# KiCad board panel.opm-lowside.kicad_pcb (continued)
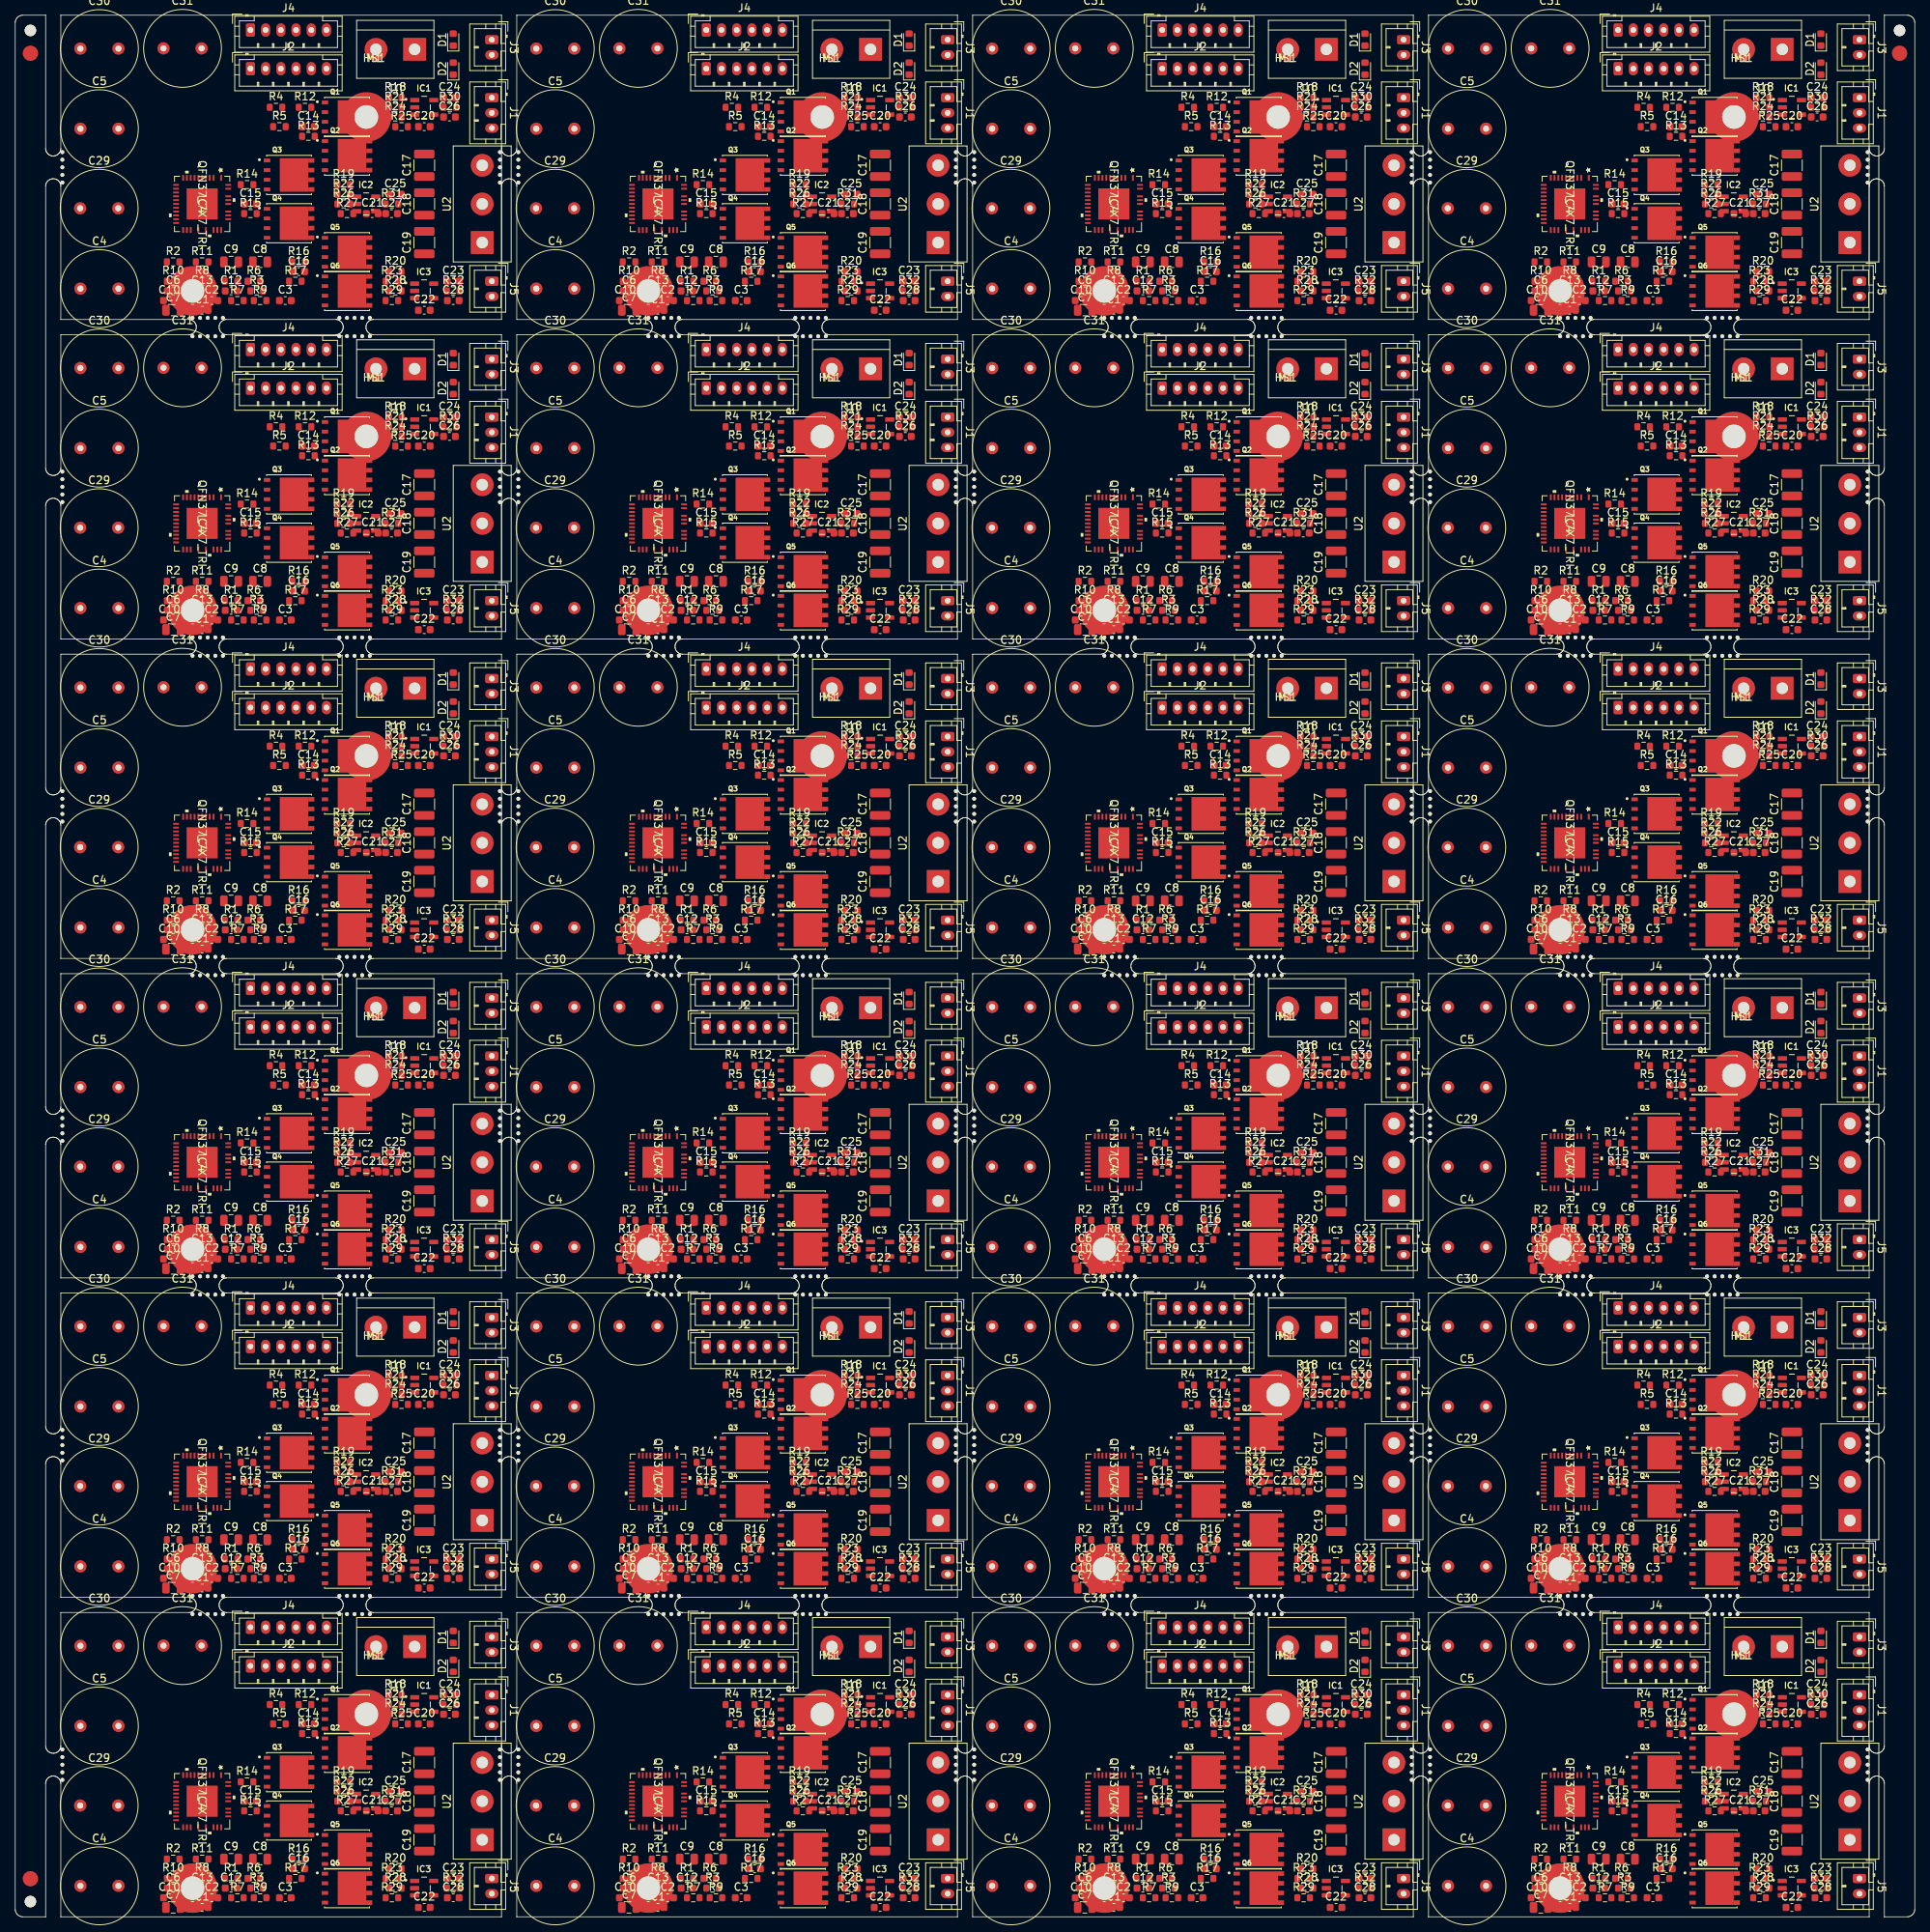
[diagram p0: board, top side]
## Placement (name value [footprint] x y rotation side) (continued)
R1#19  10000R/1%  [R_0603_1608Metric]  148.29 47.03 0 top
R1#20  10000R/1%  [R_0603_1608Metric]  208.24 47.03 0 top
R1#21  10000R/1%  [R_0603_1608Metric]  28.39 5.04 0 top
R1#22  10000R/1%  [R_0603_1608Metric]  88.34 5.04 0 top
R1#23  10000R/1%  [R_0603_1608Metric]  148.29 5.04 0 top
R1#24  10000R/1%  [R_0603_1608Metric]  208.24 5.04 0 top
R2  4700R/1%  [R_0603_1608Metric]  20.77 217.53 0 top
R2#2  4700R/1%  [R_0603_1608Metric]  80.72 217.53 0 top
R2#3  4700R/1%  [R_0603_1608Metric]  140.67 217.53 0 top
R2#4  4700R/1%  [R_0603_1608Metric]  200.62 217.53 0 top
R2#5  4700R/1%  [R_0603_1608Metric]  20.77 175.54 0 top
R2#6  4700R/1%  [R_0603_1608Metric]  80.72 175.54 0 top
R2#7  4700R/1%  [R_0603_1608Metric]  140.67 175.54 0 top
R2#8  4700R/1%  [R_0603_1608Metric]  200.62 175.54 0 top
R2#9  4700R/1%  [R_0603_1608Metric]  20.77 133.55 0 top
R2#10  4700R/1%  [R_0603_1608Metric]  80.72 133.55 0 top
R2#11  4700R/1%  [R_0603_1608Metric]  140.67 133.55 0 top
R2#12  4700R/1%  [R_0603_1608Metric]  200.62 133.55 0 top
R2#13  4700R/1%  [R_0603_1608Metric]  20.77 91.56 0 top
R2#14  4700R/1%  [R_0603_1608Metric]  80.72 91.56 0 top
R2#15  4700R/1%  [R_0603_1608Metric]  140.67 91.56 0 top
R2#16  4700R/1%  [R_0603_1608Metric]  200.62 91.56 0 top
R2#17  4700R/1%  [R_0603_1608Metric]  20.77 49.57 0 top
R2#18  4700R/1%  [R_0603_1608Metric]  80.72 49.57 0 top
R2#19  4700R/1%  [R_0603_1608Metric]  140.67 49.57 0 top
R2#20  4700R/1%  [R_0603_1608Metric]  200.62 49.57 0 top
R2#21  4700R/1%  [R_0603_1608Metric]  20.77 7.58 0 top
R2#22  4700R/1%  [R_0603_1608Metric]  80.72 7.58 0 top
R2#23  4700R/1%  [R_0603_1608Metric]  140.67 7.58 0 top
R2#24  4700R/1%  [R_0603_1608Metric]  200.62 7.58 0 top
R3  4700R/1%  [R_0603_1608Metric]  31.76 213.72 0 top
R3#2  4700R/1%  [R_0603_1608Metric]  91.71 213.72 0 top
R3#3  4700R/1%  [R_0603_1608Metric]  151.66 213.72 0 top
R3#4  4700R/1%  [R_0603_1608Metric]  211.61 213.72 0 top
R3#5  4700R/1%  [R_0603_1608Metric]  31.76 171.73 0 top
R3#6  4700R/1%  [R_0603_1608Metric]  91.71 171.73 0 top
R3#7  4700R/1%  [R_0603_1608Metric]  151.66 171.73 0 top
R3#8  4700R/1%  [R_0603_1608Metric]  211.61 171.73 0 top
R3#9  4700R/1%  [R_0603_1608Metric]  31.76 129.74 0 top
R3#10  4700R/1%  [R_0603_1608Metric]  91.71 129.74 0 top
R3#11  4700R/1%  [R_0603_1608Metric]  151.66 129.74 0 top
R3#12  4700R/1%  [R_0603_1608Metric]  211.61 129.74 0 top
R3#13  4700R/1%  [R_0603_1608Metric]  31.76 87.75 0 top
R3#14  4700R/1%  [R_0603_1608Metric]  91.71 87.75 0 top
R3#15  4700R/1%  [R_0603_1608Metric]  151.66 87.75 0 top
R3#16  4700R/1%  [R_0603_1608Metric]  211.61 87.75 0 top
R3#17  4700R/1%  [R_0603_1608Metric]  31.76 45.76 0 top
R3#18  4700R/1%  [R_0603_1608Metric]  91.71 45.76 0 top
R3#19  4700R/1%  [R_0603_1608Metric]  151.66 45.76 0 top
R3#20  4700R/1%  [R_0603_1608Metric]  211.61 45.76 0 top
R3#21  4700R/1%  [R_0603_1608Metric]  31.76 3.77 0 top
R3#22  4700R/1%  [R_0603_1608Metric]  91.71 3.77 0 top
R3#23  4700R/1%  [R_0603_1608Metric]  151.66 3.77 0 top
R3#24  4700R/1%  [R_0603_1608Metric]  211.61 3.77 0 top
R4  1000R/1%  [R_0603_1608Metric]  34.3 237.85 0 top
R4#2  1000R/1%  [R_0603_1608Metric]  94.25 237.85 0 top
R4#3  1000R/1%  [R_0603_1608Metric]  154.2 237.85 0 top
R4#4  1000R/1%  [R_0603_1608Metric]  214.15 237.85 0 top
R4#5  1000R/1%  [R_0603_1608Metric]  34.3 195.86 0 top
R4#6  1000R/1%  [R_0603_1608Metric]  94.25 195.86 0 top
R4#7  1000R/1%  [R_0603_1608Metric]  154.2 195.86 0 top
R4#8  1000R/1%  [R_0603_1608Metric]  214.15 195.86 0 top
R4#9  1000R/1%  [R_0603_1608Metric]  34.3 153.87 0 top
R4#10  1000R/1%  [R_0603_1608Metric]  94.25 153.87 0 top
R4#11  1000R/1%  [R_0603_1608Metric]  154.2 153.87 0 top
R4#12  1000R/1%  [R_0603_1608Metric]  214.15 153.87 0 top
R4#13  1000R/1%  [R_0603_1608Metric]  34.3 111.88 0 top
R4#14  1000R/1%  [R_0603_1608Metric]  94.25 111.88 0 top
R4#15  1000R/1%  [R_0603_1608Metric]  154.2 111.88 0 top
R4#16  1000R/1%  [R_0603_1608Metric]  214.15 111.88 0 top
R4#17  1000R/1%  [R_0603_1608Metric]  34.3 69.89 0 top
R4#18  1000R/1%  [R_0603_1608Metric]  94.25 69.89 0 top
R4#19  1000R/1%  [R_0603_1608Metric]  154.2 69.89 0 top
R4#20  1000R/1%  [R_0603_1608Metric]  214.15 69.89 0 top
R4#21  1000R/1%  [R_0603_1608Metric]  34.3 27.9 0 top
R4#22  1000R/1%  [R_0603_1608Metric]  94.25 27.9 0 top
R4#23  1000R/1%  [R_0603_1608Metric]  154.2 27.9 0 top
R4#24  1000R/1%  [R_0603_1608Metric]  214.15 27.9 0 top
R5  150R/1%  [R_0603_1608Metric]  34.74 235.31 0 top
R5#2  150R/1%  [R_0603_1608Metric]  94.69 235.31 0 top
R5#3  150R/1%  [R_0603_1608Metric]  154.64 235.31 0 top
R5#4  150R/1%  [R_0603_1608Metric]  214.59 235.31 0 top
R5#5  150R/1%  [R_0603_1608Metric]  34.74 193.32 0 top
R5#6  150R/1%  [R_0603_1608Metric]  94.69 193.32 0 top
R5#7  150R/1%  [R_0603_1608Metric]  154.64 193.32 0 top
R5#8  150R/1%  [R_0603_1608Metric]  214.59 193.32 0 top
R5#9  150R/1%  [R_0603_1608Metric]  34.74 151.33 0 top
R5#10  150R/1%  [R_0603_1608Metric]  94.69 151.33 0 top
R5#11  150R/1%  [R_0603_1608Metric]  154.64 151.33 0 top
R5#12  150R/1%  [R_0603_1608Metric]  214.59 151.33 0 top
R5#13  150R/1%  [R_0603_1608Metric]  34.74 109.34 0 top
R5#14  150R/1%  [R_0603_1608Metric]  94.69 109.34 0 top
R5#15  150R/1%  [R_0603_1608Metric]  154.64 109.34 0 top
R5#16  150R/1%  [R_0603_1608Metric]  214.59 109.34 0 top
R5#17  150R/1%  [R_0603_1608Metric]  34.74 67.35 0 top
R5#18  150R/1%  [R_0603_1608Metric]  94.69 67.35 0 top
R5#19  150R/1%  [R_0603_1608Metric]  154.64 67.35 0 top
R5#20  150R/1%  [R_0603_1608Metric]  214.59 67.35 0 top
R5#21  150R/1%  [R_0603_1608Metric]  34.74 25.36 0 top
R5#22  150R/1%  [R_0603_1608Metric]  94.69 25.36 0 top
R5#23  150R/1%  [R_0603_1608Metric]  154.64 25.36 0 top
R5#24  150R/1%  [R_0603_1608Metric]  214.59 25.36 0 top
R6  1000R/1%  [R_0603_1608Metric]  31.38 214.99 0 top
R6#2  1000R/1%  [R_0603_1608Metric]  91.33 214.99 0 top
R6#3  1000R/1%  [R_0603_1608Metric]  151.28 214.99 0 top
R6#4  1000R/1%  [R_0603_1608Metric]  211.23 214.99 0 top
R6#5  1000R/1%  [R_0603_1608Metric]  31.38 173 0 top
R6#6  1000R/1%  [R_0603_1608Metric]  91.33 173 0 top
R6#7  1000R/1%  [R_0603_1608Metric]  151.28 173 0 top
R6#8  1000R/1%  [R_0603_1608Metric]  211.23 173 0 top
R6#9  1000R/1%  [R_0603_1608Metric]  31.38 131.01 0 top
R6#10  1000R/1%  [R_0603_1608Metric]  91.33 131.01 0 top
R6#11  1000R/1%  [R_0603_1608Metric]  151.28 131.01 0 top
R6#12  1000R/1%  [R_0603_1608Metric]  211.23 131.01 0 top
R6#13  1000R/1%  [R_0603_1608Metric]  31.38 89.02 0 top
R6#14  1000R/1%  [R_0603_1608Metric]  91.33 89.02 0 top
R6#15  1000R/1%  [R_0603_1608Metric]  151.28 89.02 0 top
R6#16  1000R/1%  [R_0603_1608Metric]  211.23 89.02 0 top
R6#17  1000R/1%  [R_0603_1608Metric]  31.38 47.03 0 top
R6#18  1000R/1%  [R_0603_1608Metric]  91.33 47.03 0 top
R6#19  1000R/1%  [R_0603_1608Metric]  151.28 47.03 0 top
R6#20  1000R/1%  [R_0603_1608Metric]  211.23 47.03 0 top
R6#21  1000R/1%  [R_0603_1608Metric]  31.38 5.04 0 top
R6#22  1000R/1%  [R_0603_1608Metric]  91.33 5.04 0 top
R6#23  1000R/1%  [R_0603_1608Metric]  151.28 5.04 0 top
R6#24  1000R/1%  [R_0603_1608Metric]  211.23 5.04 0 top
R7  0R  [R_0603_1608Metric]  29.22 212.45 0 top
R7#2  0R  [R_0603_1608Metric]  89.17 212.45 0 top
R7#3  0R  [R_0603_1608Metric]  149.12 212.45 0 top
R7#4  0R  [R_0603_1608Metric]  209.07 212.45 0 top
R7#5  0R  [R_0603_1608Metric]  29.22 170.46 0 top
R7#6  0R  [R_0603_1608Metric]  89.17 170.46 0 top
R7#7  0R  [R_0603_1608Metric]  149.12 170.46 0 top
R7#8  0R  [R_0603_1608Metric]  209.07 170.46 0 top
R7#9  0R  [R_0603_1608Metric]  29.22 128.47 0 top
R7#10  0R  [R_0603_1608Metric]  89.17 128.47 0 top
R7#11  0R  [R_0603_1608Metric]  149.12 128.47 0 top
R7#12  0R  [R_0603_1608Metric]  209.07 128.47 0 top
R7#13  0R  [R_0603_1608Metric]  29.22 86.48 0 top
R7#14  0R  [R_0603_1608Metric]  89.17 86.48 0 top
R7#15  0R  [R_0603_1608Metric]  149.12 86.48 0 top
R7#16  0R  [R_0603_1608Metric]  209.07 86.48 0 top
R7#17  0R  [R_0603_1608Metric]  29.22 44.49 0 top
R7#18  0R  [R_0603_1608Metric]  89.17 44.49 0 top
R7#19  0R  [R_0603_1608Metric]  149.12 44.49 0 top
R7#20  0R  [R_0603_1608Metric]  209.07 44.49 0 top
R7#21  0R  [R_0603_1608Metric]  29.22 2.5 0 top
R7#22  0R  [R_0603_1608Metric]  89.17 2.5 0 top
R7#23  0R  [R_0603_1608Metric]  149.12 2.5 0 top
R7#24  0R  [R_0603_1608Metric]  209.07 2.5 0 top
R8  1500R/1%  [R_0603_1608Metric]  24.58 214.99 0 top
R8#2  1500R/1%  [R_0603_1608Metric]  84.53 214.99 0 top
R8#3  1500R/1%  [R_0603_1608Metric]  144.48 214.99 0 top
R8#4  1500R/1%  [R_0603_1608Metric]  204.43 214.99 0 top
R8#5  1500R/1%  [R_0603_1608Metric]  24.58 173 0 top
R8#6  1500R/1%  [R_0603_1608Metric]  84.53 173 0 top
R8#7  1500R/1%  [R_0603_1608Metric]  144.48 173 0 top
R8#8  1500R/1%  [R_0603_1608Metric]  204.43 173 0 top
R8#9  1500R/1%  [R_0603_1608Metric]  24.58 131.01 0 top
R8#10  1500R/1%  [R_0603_1608Metric]  84.53 131.01 0 top
R8#11  1500R/1%  [R_0603_1608Metric]  144.48 131.01 0 top
R8#12  1500R/1%  [R_0603_1608Metric]  204.43 131.01 0 top
R8#13  1500R/1%  [R_0603_1608Metric]  24.58 89.02 0 top
R8#14  1500R/1%  [R_0603_1608Metric]  84.53 89.02 0 top
R8#15  1500R/1%  [R_0603_1608Metric]  144.48 89.02 0 top
R8#16  1500R/1%  [R_0603_1608Metric]  204.43 89.02 0 top
R8#17  1500R/1%  [R_0603_1608Metric]  24.58 47.03 0 top
R8#18  1500R/1%  [R_0603_1608Metric]  84.53 47.03 0 top
R8#19  1500R/1%  [R_0603_1608Metric]  144.48 47.03 0 top
R8#20  1500R/1%  [R_0603_1608Metric]  204.43 47.03 0 top
R8#21  1500R/1%  [R_0603_1608Metric]  24.58 5.04 0 top
R8#22  1500R/1%  [R_0603_1608Metric]  84.53 5.04 0 top
R8#23  1500R/1%  [R_0603_1608Metric]  144.48 5.04 0 top
R8#24  1500R/1%  [R_0603_1608Metric]  204.43 5.04 0 top
R9  4700R/1%  [R_0603_1608Metric]  32.2 212.45 0 top
R9#2  4700R/1%  [R_0603_1608Metric]  92.15 212.45 0 top
R9#3  4700R/1%  [R_0603_1608Metric]  152.1 212.45 0 top
R9#4  4700R/1%  [R_0603_1608Metric]  212.05 212.45 0 top
R9#5  4700R/1%  [R_0603_1608Metric]  32.2 170.46 0 top
R9#6  4700R/1%  [R_0603_1608Metric]  92.15 170.46 0 top
R9#7  4700R/1%  [R_0603_1608Metric]  152.1 170.46 0 top
R9#8  4700R/1%  [R_0603_1608Metric]  212.05 170.46 0 top
R9#9  4700R/1%  [R_0603_1608Metric]  32.2 128.47 0 top
R9#10  4700R/1%  [R_0603_1608Metric]  92.15 128.47 0 top
R9#11  4700R/1%  [R_0603_1608Metric]  152.1 128.47 0 top
R9#12  4700R/1%  [R_0603_1608Metric]  212.05 128.47 0 top
R9#13  4700R/1%  [R_0603_1608Metric]  32.2 86.48 0 top
R9#14  4700R/1%  [R_0603_1608Metric]  92.15 86.48 0 top
R9#15  4700R/1%  [R_0603_1608Metric]  152.1 86.48 0 top
R9#16  4700R/1%  [R_0603_1608Metric]  212.05 86.48 0 top
R9#17  4700R/1%  [R_0603_1608Metric]  32.2 44.49 0 top
R9#18  4700R/1%  [R_0603_1608Metric]  92.15 44.49 0 top
R9#19  4700R/1%  [R_0603_1608Metric]  152.1 44.49 0 top
R9#20  4700R/1%  [R_0603_1608Metric]  212.05 44.49 0 top
R9#21  4700R/1%  [R_0603_1608Metric]  32.2 2.5 0 top
R9#22  4700R/1%  [R_0603_1608Metric]  92.15 2.5 0 top
R9#23  4700R/1%  [R_0603_1608Metric]  152.1 2.5 0 top
R9#24  4700R/1%  [R_0603_1608Metric]  212.05 2.5 0 top
R10  0Ω  [R_0603_1608Metric]  20.77 214.99 0 top
R10#2  0Ω  [R_0603_1608Metric]  80.72 214.99 0 top
R10#3  0Ω  [R_0603_1608Metric]  140.67 214.99 0 top
R10#4  0Ω  [R_0603_1608Metric]  200.62 214.99 0 top
R10#5  0Ω  [R_0603_1608Metric]  20.77 173 0 top
R10#6  0Ω  [R_0603_1608Metric]  80.72 173 0 top
R10#7  0Ω  [R_0603_1608Metric]  140.67 173 0 top
R10#8  0Ω  [R_0603_1608Metric]  200.62 173 0 top
R10#9  0Ω  [R_0603_1608Metric]  20.77 131.01 0 top
R10#10  0Ω  [R_0603_1608Metric]  80.72 131.01 0 top
R10#11  0Ω  [R_0603_1608Metric]  140.67 131.01 0 top
R10#12  0Ω  [R_0603_1608Metric]  200.62 131.01 0 top
R10#13  0Ω  [R_0603_1608Metric]  20.77 89.02 0 top
R10#14  0Ω  [R_0603_1608Metric]  80.72 89.02 0 top
R10#15  0Ω  [R_0603_1608Metric]  140.67 89.02 0 top
R10#16  0Ω  [R_0603_1608Metric]  200.62 89.02 0 top
R10#17  0Ω  [R_0603_1608Metric]  20.77 47.03 0 top
R10#18  0Ω  [R_0603_1608Metric]  80.72 47.03 0 top
R10#19  0Ω  [R_0603_1608Metric]  140.67 47.03 0 top
R10#20  0Ω  [R_0603_1608Metric]  200.62 47.03 0 top
R10#21  0Ω  [R_0603_1608Metric]  20.77 5.04 0 top
R10#22  0Ω  [R_0603_1608Metric]  80.72 5.04 0 top
R10#23  0Ω  [R_0603_1608Metric]  140.67 5.04 0 top
R10#24  0Ω  [R_0603_1608Metric]  200.62 5.04 0 top
R11  0Ω  [R_0603_1608Metric]  24.58 217.53 0 top
R11#2  0Ω  [R_0603_1608Metric]  84.53 217.53 0 top
R11#3  0Ω  [R_0603_1608Metric]  144.48 217.53 0 top
R11#4  0Ω  [R_0603_1608Metric]  204.43 217.53 0 top
R11#5  0Ω  [R_0603_1608Metric]  24.58 175.54 0 top
R11#6  0Ω  [R_0603_1608Metric]  84.53 175.54 0 top
R11#7  0Ω  [R_0603_1608Metric]  144.48 175.54 0 top
R11#8  0Ω  [R_0603_1608Metric]  204.43 175.54 0 top
R11#9  0Ω  [R_0603_1608Metric]  24.58 133.55 0 top
R11#10  0Ω  [R_0603_1608Metric]  84.53 133.55 0 top
R11#11  0Ω  [R_0603_1608Metric]  144.48 133.55 0 top
R11#12  0Ω  [R_0603_1608Metric]  204.43 133.55 0 top
R11#13  0Ω  [R_0603_1608Metric]  24.58 91.56 0 top
R11#14  0Ω  [R_0603_1608Metric]  84.53 91.56 0 top
R11#15  0Ω  [R_0603_1608Metric]  144.48 91.56 0 top
R11#16  0Ω  [R_0603_1608Metric]  204.43 91.56 0 top
R11#17  0Ω  [R_0603_1608Metric]  24.58 49.57 0 top
R11#18  0Ω  [R_0603_1608Metric]  84.53 49.57 0 top
R11#19  0Ω  [R_0603_1608Metric]  144.48 49.57 0 top
R11#20  0Ω  [R_0603_1608Metric]  204.43 49.57 0 top
R11#21  0Ω  [R_0603_1608Metric]  24.58 7.58 0 top
R11#22  0Ω  [R_0603_1608Metric]  84.53 7.58 0 top
R11#23  0Ω  [R_0603_1608Metric]  144.48 7.58 0 top
R11#24  0Ω  [R_0603_1608Metric]  204.43 7.58 0 top
R12  2,2Ω/1%  [R_0603_1608Metric]  38.11 237.85 0 top
R12#2  2,2Ω/1%  [R_0603_1608Metric]  98.06 237.85 0 top
R12#3  2,2Ω/1%  [R_0603_1608Metric]  158.01 237.85 0 top
R12#4  2,2Ω/1%  [R_0603_1608Metric]  217.96 237.85 0 top
R12#5  2,2Ω/1%  [R_0603_1608Metric]  38.11 195.86 0 top
R12#6  2,2Ω/1%  [R_0603_1608Metric]  98.06 195.86 0 top
R12#7  2,2Ω/1%  [R_0603_1608Metric]  158.01 195.86 0 top
R12#8  2,2Ω/1%  [R_0603_1608Metric]  217.96 195.86 0 top
R12#9  2,2Ω/1%  [R_0603_1608Metric]  38.11 153.87 0 top
R12#10  2,2Ω/1%  [R_0603_1608Metric]  98.06 153.87 0 top
R12#11  2,2Ω/1%  [R_0603_1608Metric]  158.01 153.87 0 top
R12#12  2,2Ω/1%  [R_0603_1608Metric]  217.96 153.87 0 top
R12#13  2,2Ω/1%  [R_0603_1608Metric]  38.11 111.88 0 top
R12#14  2,2Ω/1%  [R_0603_1608Metric]  98.06 111.88 0 top
R12#15  2,2Ω/1%  [R_0603_1608Metric]  158.01 111.88 0 top
R12#16  2,2Ω/1%  [R_0603_1608Metric]  217.96 111.88 0 top
R12#17  2,2Ω/1%  [R_0603_1608Metric]  38.11 69.89 0 top
R12#18  2,2Ω/1%  [R_0603_1608Metric]  98.06 69.89 0 top
R12#19  2,2Ω/1%  [R_0603_1608Metric]  158.01 69.89 0 top
R12#20  2,2Ω/1%  [R_0603_1608Metric]  217.96 69.89 0 top
R12#21  2,2Ω/1%  [R_0603_1608Metric]  38.11 27.9 0 top
R12#22  2,2Ω/1%  [R_0603_1608Metric]  98.06 27.9 0 top
R12#23  2,2Ω/1%  [R_0603_1608Metric]  158.01 27.9 0 top
R12#24  2,2Ω/1%  [R_0603_1608Metric]  217.96 27.9 0 top
R13  2,2Ω/1%  [R_0603_1608Metric]  38.55 234.04 0 top
R13#2  2,2Ω/1%  [R_0603_1608Metric]  98.5 234.04 0 top
R13#3  2,2Ω/1%  [R_0603_1608Metric]  158.45 234.04 0 top
R13#4  2,2Ω/1%  [R_0603_1608Metric]  218.4 234.04 0 top
R13#5  2,2Ω/1%  [R_0603_1608Metric]  38.55 192.05 0 top
R13#6  2,2Ω/1%  [R_0603_1608Metric]  98.5 192.05 0 top
R13#7  2,2Ω/1%  [R_0603_1608Metric]  158.45 192.05 0 top
R13#8  2,2Ω/1%  [R_0603_1608Metric]  218.4 192.05 0 top
R13#9  2,2Ω/1%  [R_0603_1608Metric]  38.55 150.06 0 top
R13#10  2,2Ω/1%  [R_0603_1608Metric]  98.5 150.06 0 top
R13#11  2,2Ω/1%  [R_0603_1608Metric]  158.45 150.06 0 top
R13#12  2,2Ω/1%  [R_0603_1608Metric]  218.4 150.06 0 top
R13#13  2,2Ω/1%  [R_0603_1608Metric]  38.55 108.07 0 top
R13#14  2,2Ω/1%  [R_0603_1608Metric]  98.5 108.07 0 top
R13#15  2,2Ω/1%  [R_0603_1608Metric]  158.45 108.07 0 top
R13#16  2,2Ω/1%  [R_0603_1608Metric]  218.4 108.07 0 top
R13#17  2,2Ω/1%  [R_0603_1608Metric]  38.55 66.08 0 top
R13#18  2,2Ω/1%  [R_0603_1608Metric]  98.5 66.08 0 top
R13#19  2,2Ω/1%  [R_0603_1608Metric]  158.45 66.08 0 top
R13#20  2,2Ω/1%  [R_0603_1608Metric]  218.4 66.08 0 top
R13#21  2,2Ω/1%  [R_0603_1608Metric]  38.55 24.09 0 top
R13#22  2,2Ω/1%  [R_0603_1608Metric]  98.5 24.09 0 top
R13#23  2,2Ω/1%  [R_0603_1608Metric]  158.45 24.09 0 top
R13#24  2,2Ω/1%  [R_0603_1608Metric]  218.4 24.09 0 top
R14  2,2Ω/1%  [R_0603_1608Metric]  30.49 227.69 0 top
R14#2  2,2Ω/1%  [R_0603_1608Metric]  90.44 227.69 0 top
R14#3  2,2Ω/1%  [R_0603_1608Metric]  150.39 227.69 0 top
R14#4  2,2Ω/1%  [R_0603_1608Metric]  210.34 227.69 0 top
R14#5  2,2Ω/1%  [R_0603_1608Metric]  30.49 185.7 0 top
R14#6  2,2Ω/1%  [R_0603_1608Metric]  90.44 185.7 0 top
R14#7  2,2Ω/1%  [R_0603_1608Metric]  150.39 185.7 0 top
R14#8  2,2Ω/1%  [R_0603_1608Metric]  210.34 185.7 0 top
R14#9  2,2Ω/1%  [R_0603_1608Metric]  30.49 143.71 0 top
R14#10  2,2Ω/1%  [R_0603_1608Metric]  90.44 143.71 0 top
R14#11  2,2Ω/1%  [R_0603_1608Metric]  150.39 143.71 0 top
R14#12  2,2Ω/1%  [R_0603_1608Metric]  210.34 143.71 0 top
R14#13  2,2Ω/1%  [R_0603_1608Metric]  30.49 101.72 0 top
R14#14  2,2Ω/1%  [R_0603_1608Metric]  90.44 101.72 0 top
R14#15  2,2Ω/1%  [R_0603_1608Metric]  150.39 101.72 0 top
R14#16  2,2Ω/1%  [R_0603_1608Metric]  210.34 101.72 0 top
R14#17  2,2Ω/1%  [R_0603_1608Metric]  30.49 59.73 0 top
R14#18  2,2Ω/1%  [R_0603_1608Metric]  90.44 59.73 0 top
R14#19  2,2Ω/1%  [R_0603_1608Metric]  150.39 59.73 0 top
R14#20  2,2Ω/1%  [R_0603_1608Metric]  210.34 59.73 0 top
R14#21  2,2Ω/1%  [R_0603_1608Metric]  30.49 17.74 0 top
R14#22  2,2Ω/1%  [R_0603_1608Metric]  90.44 17.74 0 top
R14#23  2,2Ω/1%  [R_0603_1608Metric]  150.39 17.74 0 top
R14#24  2,2Ω/1%  [R_0603_1608Metric]  210.34 17.74 0 top
R15  2,2Ω/1%  [R_0603_1608Metric]  30.93 223.88 0 top
R15#2  2,2Ω/1%  [R_0603_1608Metric]  90.88 223.88 0 top
R15#3  2,2Ω/1%  [R_0603_1608Metric]  150.83 223.88 0 top
R15#4  2,2Ω/1%  [R_0603_1608Metric]  210.78 223.88 0 top
R15#5  2,2Ω/1%  [R_0603_1608Metric]  30.93 181.89 0 top
R15#6  2,2Ω/1%  [R_0603_1608Metric]  90.88 181.89 0 top
R15#7  2,2Ω/1%  [R_0603_1608Metric]  150.83 181.89 0 top
R15#8  2,2Ω/1%  [R_0603_1608Metric]  210.78 181.89 0 top
R15#9  2,2Ω/1%  [R_0603_1608Metric]  30.93 139.9 0 top
R15#10  2,2Ω/1%  [R_0603_1608Metric]  90.88 139.9 0 top
R15#11  2,2Ω/1%  [R_0603_1608Metric]  150.83 139.9 0 top
R15#12  2,2Ω/1%  [R_0603_1608Metric]  210.78 139.9 0 top
R15#13  2,2Ω/1%  [R_0603_1608Metric]  30.93 97.91 0 top
R15#14  2,2Ω/1%  [R_0603_1608Metric]  90.88 97.91 0 top
R15#15  2,2Ω/1%  [R_0603_1608Metric]  150.83 97.91 0 top
R15#16  2,2Ω/1%  [R_0603_1608Metric]  210.78 97.91 0 top
R15#17  2,2Ω/1%  [R_0603_1608Metric]  30.93 55.92 0 top
R15#18  2,2Ω/1%  [R_0603_1608Metric]  90.88 55.92 0 top
R15#19  2,2Ω/1%  [R_0603_1608Metric]  150.83 55.92 0 top
R15#20  2,2Ω/1%  [R_0603_1608Metric]  210.78 55.92 0 top
R15#21  2,2Ω/1%  [R_0603_1608Metric]  30.93 13.93 0 top
R15#22  2,2Ω/1%  [R_0603_1608Metric]  90.88 13.93 0 top
R15#23  2,2Ω/1%  [R_0603_1608Metric]  150.83 13.93 0 top
R15#24  2,2Ω/1%  [R_0603_1608Metric]  210.78 13.93 0 top
R16  2,2Ω/1%  [R_0603_1608Metric]  37.28 217.53 0 top
R16#2  2,2Ω/1%  [R_0603_1608Metric]  97.23 217.53 0 top
R16#3  2,2Ω/1%  [R_0603_1608Metric]  157.18 217.53 0 top
R16#4  2,2Ω/1%  [R_0603_1608Metric]  217.13 217.53 0 top
R16#5  2,2Ω/1%  [R_0603_1608Metric]  37.28 175.54 0 top
R16#6  2,2Ω/1%  [R_0603_1608Metric]  97.23 175.54 0 top
R16#7  2,2Ω/1%  [R_0603_1608Metric]  157.18 175.54 0 top
R16#8  2,2Ω/1%  [R_0603_1608Metric]  217.13 175.54 0 top
R16#9  2,2Ω/1%  [R_0603_1608Metric]  37.28 133.55 0 top
R16#10  2,2Ω/1%  [R_0603_1608Metric]  97.23 133.55 0 top
R16#11  2,2Ω/1%  [R_0603_1608Metric]  157.18 133.55 0 top
R16#12  2,2Ω/1%  [R_0603_1608Metric]  217.13 133.55 0 top
R16#13  2,2Ω/1%  [R_0603_1608Metric]  37.28 91.56 0 top
R16#14  2,2Ω/1%  [R_0603_1608Metric]  97.23 91.56 0 top
R16#15  2,2Ω/1%  [R_0603_1608Metric]  157.18 91.56 0 top
R16#16  2,2Ω/1%  [R_0603_1608Metric]  217.13 91.56 0 top
R16#17  2,2Ω/1%  [R_0603_1608Metric]  37.28 49.57 0 top
R16#18  2,2Ω/1%  [R_0603_1608Metric]  97.23 49.57 0 top
R16#19  2,2Ω/1%  [R_0603_1608Metric]  157.18 49.57 0 top
R16#20  2,2Ω/1%  [R_0603_1608Metric]  217.13 49.57 0 top
R16#21  2,2Ω/1%  [R_0603_1608Metric]  37.28 7.58 0 top
R16#22  2,2Ω/1%  [R_0603_1608Metric]  97.23 7.58 0 top
R16#23  2,2Ω/1%  [R_0603_1608Metric]  157.18 7.58 0 top
R16#24  2,2Ω/1%  [R_0603_1608Metric]  217.13 7.58 0 top
R17  2,2Ω/1%  [R_0603_1608Metric]  36.84 214.99 0 top
R17#2  2,2Ω/1%  [R_0603_1608Metric]  96.79 214.99 0 top
R17#3  2,2Ω/1%  [R_0603_1608Metric]  156.74 214.99 0 top
R17#4  2,2Ω/1%  [R_0603_1608Metric]  216.69 214.99 0 top
R17#5  2,2Ω/1%  [R_0603_1608Metric]  36.84 173 0 top
R17#6  2,2Ω/1%  [R_0603_1608Metric]  96.79 173 0 top
R17#7  2,2Ω/1%  [R_0603_1608Metric]  156.74 173 0 top
R17#8  2,2Ω/1%  [R_0603_1608Metric]  216.69 173 0 top
R17#9  2,2Ω/1%  [R_0603_1608Metric]  36.84 131.01 0 top
R17#10  2,2Ω/1%  [R_0603_1608Metric]  96.79 131.01 0 top
R17#11  2,2Ω/1%  [R_0603_1608Metric]  156.74 131.01 0 top
R17#12  2,2Ω/1%  [R_0603_1608Metric]  216.69 131.01 0 top
R17#13  2,2Ω/1%  [R_0603_1608Metric]  36.84 89.02 0 top
R17#14  2,2Ω/1%  [R_0603_1608Metric]  96.79 89.02 0 top
R17#15  2,2Ω/1%  [R_0603_1608Metric]  156.74 89.02 0 top
R17#16  2,2Ω/1%  [R_0603_1608Metric]  216.69 89.02 0 top
R17#17  2,2Ω/1%  [R_0603_1608Metric]  36.84 47.03 0 top
R17#18  2,2Ω/1%  [R_0603_1608Metric]  96.79 47.03 0 top
R17#19  2,2Ω/1%  [R_0603_1608Metric]  156.74 47.03 0 top
R17#20  2,2Ω/1%  [R_0603_1608Metric]  216.69 47.03 0 top
R17#21  2,2Ω/1%  [R_0603_1608Metric]  36.84 5.04 0 top
R17#22  2,2Ω/1%  [R_0603_1608Metric]  96.79 5.04 0 top
R17#23  2,2Ω/1%  [R_0603_1608Metric]  156.74 5.04 0 top
R17#24  2,2Ω/1%  [R_0603_1608Metric]  216.69 5.04 0 top
R18  .001Ω/1%  [R_0603_1608Metric]  49.98 239.12 0 top
R18#2  .001Ω/1%  [R_0603_1608Metric]  109.93 239.12 0 top
R18#3  .001Ω/1%  [R_0603_1608Metric]  169.88 239.12 0 top
R18#4  .001Ω/1%  [R_0603_1608Metric]  229.83 239.12 0 top
R18#5  .001Ω/1%  [R_0603_1608Metric]  49.98 197.13 0 top
R18#6  .001Ω/1%  [R_0603_1608Metric]  109.93 197.13 0 top
R18#7  .001Ω/1%  [R_0603_1608Metric]  169.88 197.13 0 top
R18#8  .001Ω/1%  [R_0603_1608Metric]  229.83 197.13 0 top
R18#9  .001Ω/1%  [R_0603_1608Metric]  49.98 155.14 0 top
R18#10  .001Ω/1%  [R_0603_1608Metric]  109.93 155.14 0 top
R18#11  .001Ω/1%  [R_0603_1608Metric]  169.88 155.14 0 top
R18#12  .001Ω/1%  [R_0603_1608Metric]  229.83 155.14 0 top
R18#13  .001Ω/1%  [R_0603_1608Metric]  49.98 113.15 0 top
R18#14  .001Ω/1%  [R_0603_1608Metric]  109.93 113.15 0 top
R18#15  .001Ω/1%  [R_0603_1608Metric]  169.88 113.15 0 top
R18#16  .001Ω/1%  [R_0603_1608Metric]  229.83 113.15 0 top
R18#17  .001Ω/1%  [R_0603_1608Metric]  49.98 71.16 0 top
R18#18  .001Ω/1%  [R_0603_1608Metric]  109.93 71.16 0 top
R18#19  .001Ω/1%  [R_0603_1608Metric]  169.88 71.16 0 top
R18#20  .001Ω/1%  [R_0603_1608Metric]  229.83 71.16 0 top
R18#21  .001Ω/1%  [R_0603_1608Metric]  49.98 29.17 0 top
R18#22  .001Ω/1%  [R_0603_1608Metric]  109.93 29.17 0 top
R18#23  .001Ω/1%  [R_0603_1608Metric]  169.88 29.17 0 top
R18#24  .001Ω/1%  [R_0603_1608Metric]  229.83 29.17 0 top
R19  .001Ω/1%  [R_0603_1608Metric]  43.19 227.69 0 top
R19#2  .001Ω/1%  [R_0603_1608Metric]  103.14 227.69 0 top
R19#3  .001Ω/1%  [R_0603_1608Metric]  163.09 227.69 0 top
R19#4  .001Ω/1%  [R_0603_1608Metric]  223.04 227.69 0 top
R19#5  .001Ω/1%  [R_0603_1608Metric]  43.19 185.7 0 top
R19#6  .001Ω/1%  [R_0603_1608Metric]  103.14 185.7 0 top
R19#7  .001Ω/1%  [R_0603_1608Metric]  163.09 185.7 0 top
R19#8  .001Ω/1%  [R_0603_1608Metric]  223.04 185.7 0 top
R19#9  .001Ω/1%  [R_0603_1608Metric]  43.19 143.71 0 top
R19#10  .001Ω/1%  [R_0603_1608Metric]  103.14 143.71 0 top
R19#11  .001Ω/1%  [R_0603_1608Metric]  163.09 143.71 0 top
R19#12  .001Ω/1%  [R_0603_1608Metric]  223.04 143.71 0 top
R19#13  .001Ω/1%  [R_0603_1608Metric]  43.19 101.72 0 top
R19#14  .001Ω/1%  [R_0603_1608Metric]  103.14 101.72 0 top
R19#15  .001Ω/1%  [R_0603_1608Metric]  163.09 101.72 0 top
R19#16  .001Ω/1%  [R_0603_1608Metric]  223.04 101.72 0 top
R19#17  .001Ω/1%  [R_0603_1608Metric]  43.19 59.73 0 top
R19#18  .001Ω/1%  [R_0603_1608Metric]  103.14 59.73 0 top
R19#19  .001Ω/1%  [R_0603_1608Metric]  163.09 59.73 0 top
R19#20  .001Ω/1%  [R_0603_1608Metric]  223.04 59.73 0 top
R19#21  .001Ω/1%  [R_0603_1608Metric]  43.19 17.74 0 top
R19#22  .001Ω/1%  [R_0603_1608Metric]  103.14 17.74 0 top
R19#23  .001Ω/1%  [R_0603_1608Metric]  163.09 17.74 0 top
R19#24  .001Ω/1%  [R_0603_1608Metric]  223.04 17.74 0 top
R20  .001Ω/1%  [R_0603_1608Metric]  49.98 216.26 0 top
R20#2  .001Ω/1%  [R_0603_1608Metric]  109.93 216.26 0 top
R20#3  .001Ω/1%  [R_0603_1608Metric]  169.88 216.26 0 top
R20#4  .001Ω/1%  [R_0603_1608Metric]  229.83 216.26 0 top
R20#5  .001Ω/1%  [R_0603_1608Metric]  49.98 174.27 0 top
R20#6  .001Ω/1%  [R_0603_1608Metric]  109.93 174.27 0 top
R20#7  .001Ω/1%  [R_0603_1608Metric]  169.88 174.27 0 top
R20#8  .001Ω/1%  [R_0603_1608Metric]  229.83 174.27 0 top
R20#9  .001Ω/1%  [R_0603_1608Metric]  49.98 132.28 0 top
R20#10  .001Ω/1%  [R_0603_1608Metric]  109.93 132.28 0 top
R20#11  .001Ω/1%  [R_0603_1608Metric]  169.88 132.28 0 top
R20#12  .001Ω/1%  [R_0603_1608Metric]  229.83 132.28 0 top
